# Altium PCB Back_M.PcbDoc
Units mm, origin at the board's own origin, x right, y up, seen from the top; angles counter-clockwise.
Board outline 25.11 x 28.97 mm, 2 copper layers (Top Layer, Bottom Layer); 20 components, 9 nets, 37 pads, 2 vias.
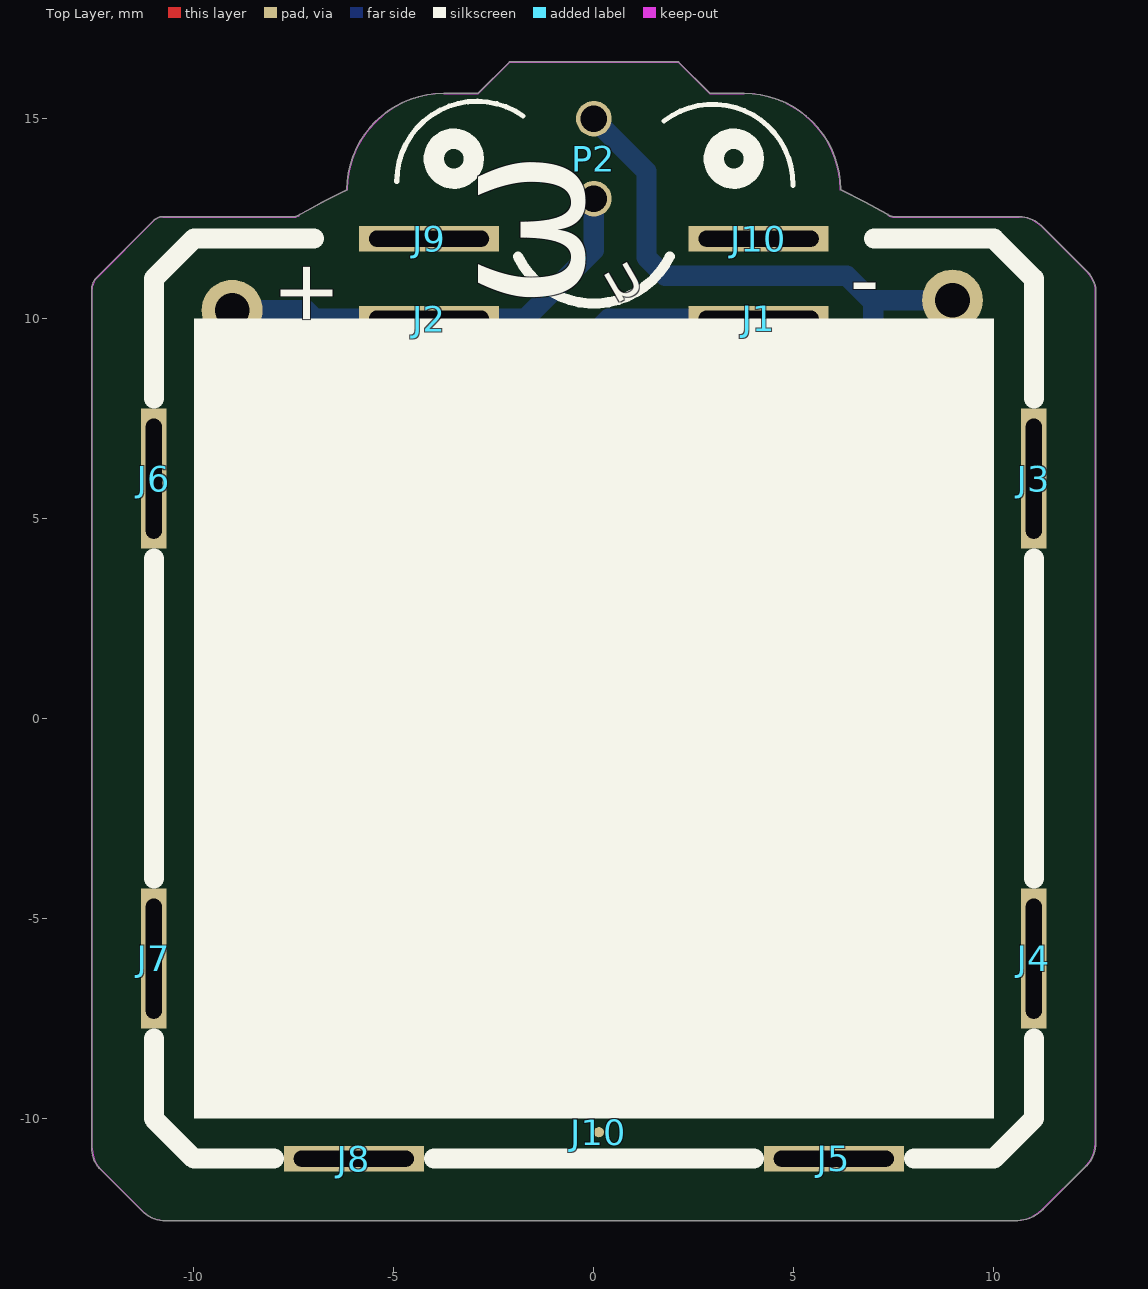
[diagram p0: Top Layer view]
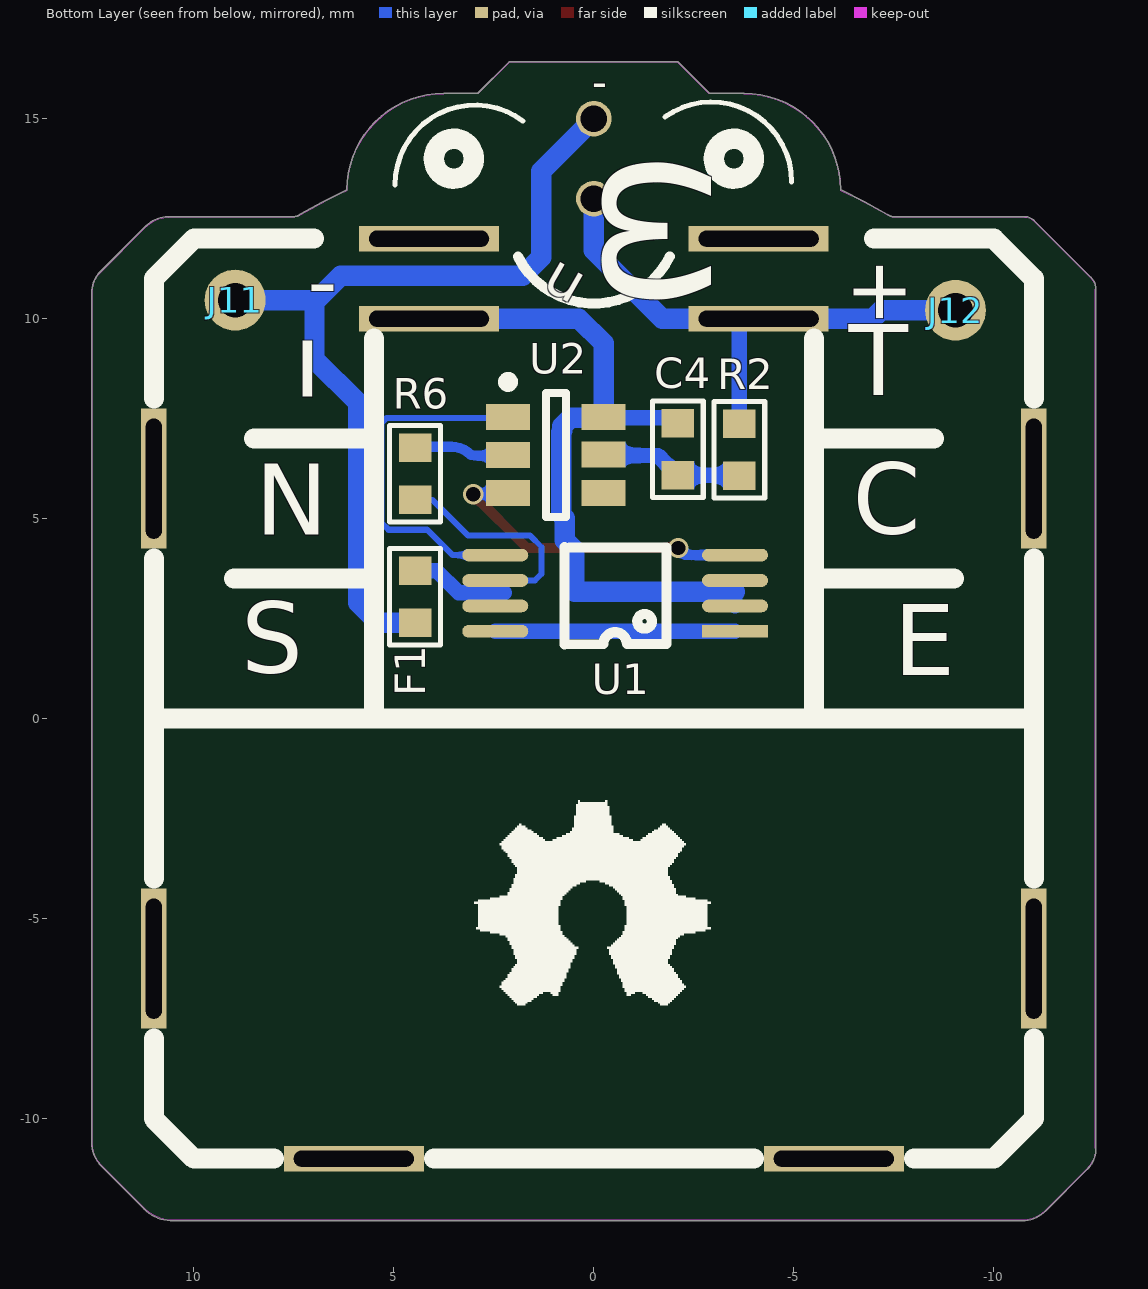
[diagram p1: Bottom Layer view, seen from below]
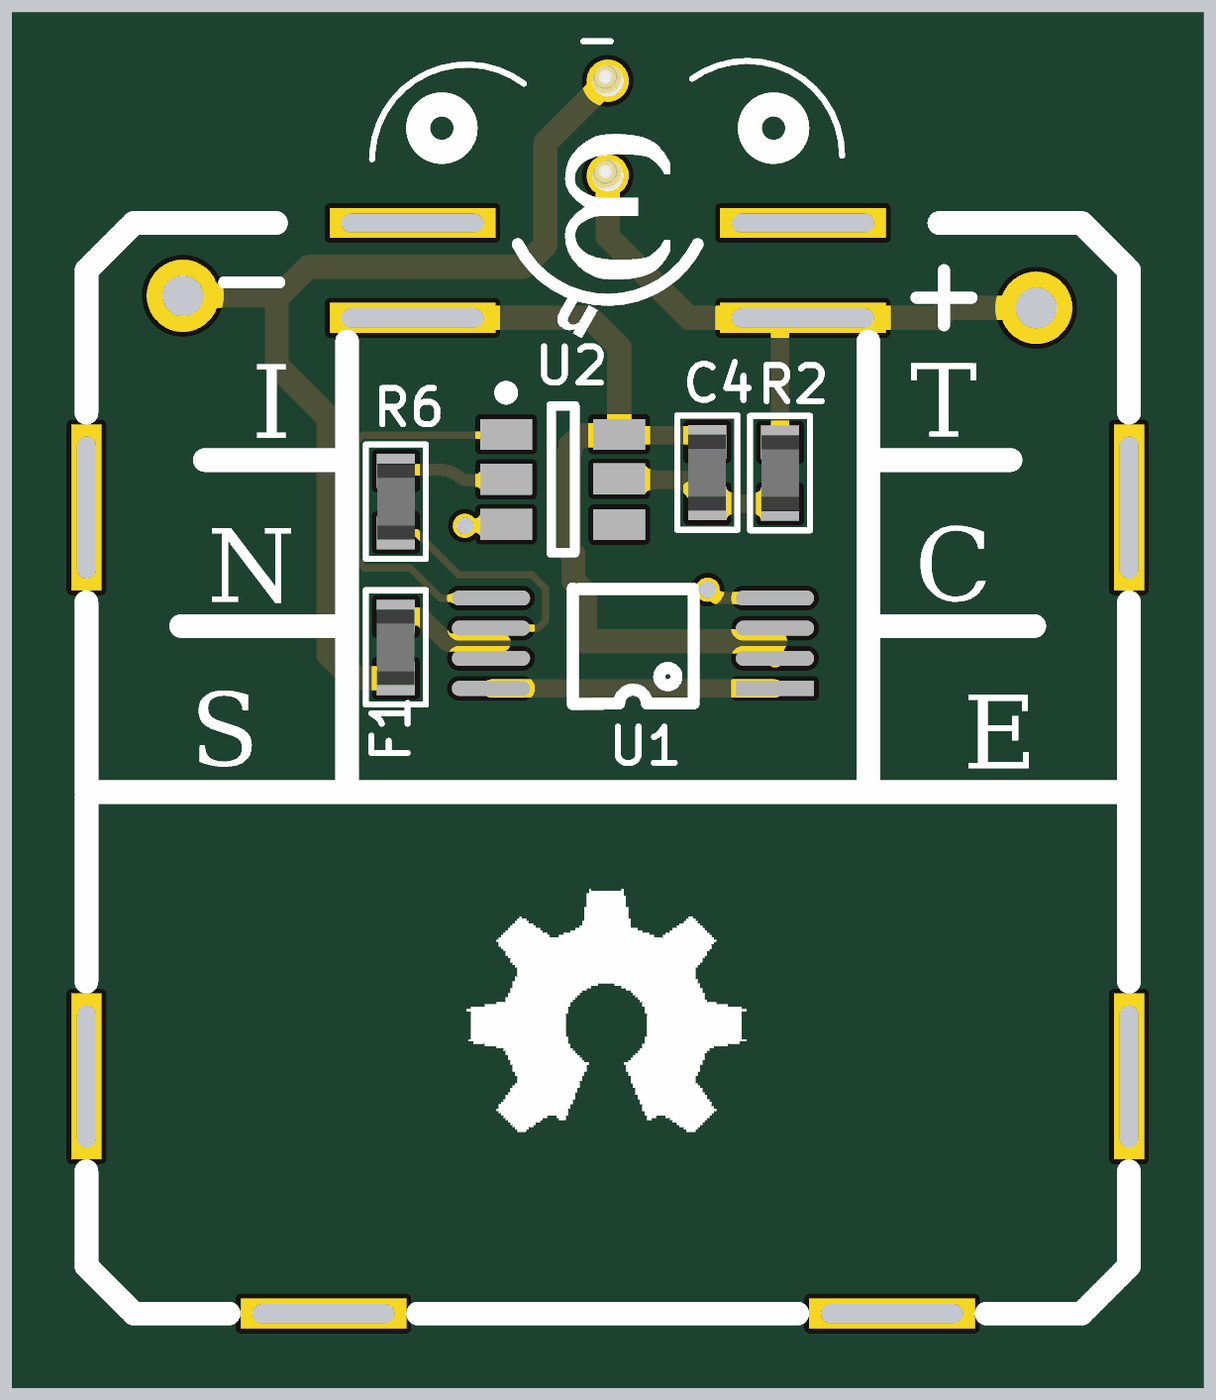
[diagram p2: 3D render of the assembled board from below, using the file's embedded part models]

## Layer stack, top to bottom
Top Solder: solder mask 0.0102, Solder Resist, Dk 3.5
Top Layer: signal copper 0.0356
Dielectric 1: dielectric 0.32, FR-4, Dk 4.8
Bottom Layer: signal copper 0.0356
Bottom Solder: solder mask 0.0102, Solder Resist, Dk 3.5

## Board outline
-12.554,-10.68 cw(c-12.541,-10.68) -12.553,-10.675 -12.553,10.71 cw(c-12.54,10.712) -12.553,10.712 -12.553,10.735 cw(c-12.132,10.735) -12.43,11.033 -11.007,12.455 cw(c-10.771,12.219) -10.771,12.553 -7.482,12.553 cw(c-7.482,12.54) -7.479,12.553 ccw(c-7.482,12.741) -7.355,12.602 cw(c-7.346,12.593) -7.346,12.606 cw(c0,0) -6.175,13.219 cw(c-3.754,13.214) -3.754,15.634 -2.893,15.634 -2.11,16.418 cw(c-2.1,16.408) -2.1,16.421 2.111,16.421 cw(c2.111,16.408) 2.12,16.418 2.904,15.634 3.754,15.634 cw(c3.754,13.214) 6.175,13.219 cw(c0,0) 7.343,12.607 cw(c7.345,12.594) 7.35,12.607 ccw(c7.345,12.594) 7.343,12.607 7.35,12.607 cw(c7.345,12.594) 7.355,12.604 ccw(c7.474,12.723) 7.474,12.554 ccw(c7.474,12.723) 7.474,12.554 7.613,12.554 cw(c7.613,12.541) 7.618,12.553 10.634,12.553 cw(c10.634,12.54) 10.64,12.552 cw(c10.634,11.762) 11.188,12.324 cw(c11.183,12.312) 11.192,12.321 12.391,11.122 cw(c12.382,11.113) 12.395,11.113 cw(c12.382,11.113) 12.395,11.111 cw(c11.814,10.654) 12.553,10.654 12.553,-10.602 cw(c12.54,-10.602) 12.552,-10.608 cw(c11.726,-10.602) 12.367,-11.123 cw(c12.354,-11.123) 12.367,-11.123 cw(c12.354,-11.123) 12.364,-11.132 12.32,-11.176 cw(c11.726,-10.602) 12.31,-11.186 12.294,-11.203 cw(c12.284,-11.193) 12.292,-11.204 11.241,-12.255 cw(c11.228,-12.255) 11.237,-12.264 cw(c10.544,-11.572) 10.585,-12.55 cw(c10.577,-12.54) 10.577,-12.553 -10.707,-12.553 cw(c-10.707,-12.54) -10.708,-12.553 ccw(c-10.707,-11.724) -10.707,-12.553 -10.708,-12.553 cw(c-10.707,-11.724) -11.293,-12.31 -11.306,-12.298 cw(c-11.297,-12.288) -11.309,-12.294 -12.332,-11.27 cw(c-12.325,-11.259) -12.334,-11.269 cw(c-11.804,-10.738) -12.554,-10.738

## Design rules (kind name [scope] priority, off if disabled: settings)
Clearance [All] p1: gap=0.254
PolygonConnect [All] p1: connectstyle=Relief reliefconductorwidth=0.254 reliefentries=4 polygonreliefangle="90 Angle" airgapwidth=0.254
RoutingVias [All] p1: holewidth=0.711 width=1.27 viastyle="Through Hole" minholewidth=0.356 minwidth=0.508 maxholewidth=0.711 maxwidth=1.27
ShortCircuit [All vs HasFootprint('TI_ANT')] p1: allowed=FALSE
SolderMaskExpansion [All] p1: expansion=0.102
Width [All] p1: maxlimit=2.54 minlimit=0.025 preferedwidth=0.254
29 further rules are at their usual default settings.

## Components (designator, comment, footprint, x,y, rotation, side; value= is the part's Value field where it differs from the comment)
C4 "104" C0603 -2.101,6.735 r90 bottom
F1 "500mA" C0603 4.47,3.048 r90 bottom
J1 "-" PADL#1 16.418,14.232 r180 top
J2 "+" PADL#2 -11.786,14.525 r180 top
J3 "-" PADL#3 10.592,6.747 r90 top
J4 "-" PADL#4 10.976,-6.977 r90 top
J5 "-" PADL#5 5.133,-11.321 r180 top
J6 "-" PADL#6 -11.094,6.673 r90 top
J7 "-" PADL#7 -11,-6 r90 top
J8 "-" PADL#8 -5.202,-11.149 r180 top
J9 "-" PADL#9 -4.135,12.249 r180 top
J10 "-" PADL#10 4.064,12.205 r180 top
J10 "-" BB 0.127,-10.338 r180 top
J11 "-" PIN 8.966,10.465 r180 bottom
J12 "+" PIN -9.042,10.211 r90 bottom
P2 "Header 2" HEAD2.0 0,14 r90 top
R2 "330" C0603 -3.638,6.725 r270 bottom
R6 "1K" C0603 4.47,6.121 r270 bottom
U1 "CEG8205" TSSOP-8 -3.531,2.184 r0 bottom
U2 "R5402N" SOT23-6 2.143,7.544 r180 bottom

## Footprints (in the part's own frame and the unit in brackets; to place one, negate y for a bottom-side part, rotate by r counter-clockwise, add the part's x,y. Pads: shape width x height; smd on the part's side, far side on the other; paste and mask are expansions set on the pad)
BB [mil] "Generic Antenna; 1 Lead"
  round 10 smd: 1(0,0)
  body extent -422,-870 444,-4, height 197
C0603 [mil]
  rect 28x32 smd: 1(-25.59,0) 2(25.59,0)
  silkscreen extent -48,-25 48,25, body extent -31,-15 32,16, height 18
HEAD2.0 [mil] "Connector; Header; 2 Position"
  round 35 hole 26: 1(-39.37,0) 2(39.37,0)
  body extent -75,-41 82,37, height 326
PADL#1 [mm]
  rect 3.5x0.635 hole 0.4 slot 3 at 0 deg: 1(12.298,4.232)
PADL#2 [mm]
  rect 3.5x0.635 hole 0.4 slot 3 at 0 deg: 1(-7.666,4.525)
PADL#3 [mm]
  rect 3.5x0.635 hole 0.4 slot 3 at 0 deg: 1(-0.747,-0.408)
PADL#4 [mm]
  rect 3.5x0.635 hole 0.4 slot 3 at 0 deg: 1(0.977,-0.024)
PADL#5 [mm]
  rect 3.5x0.635 hole 0.4 slot 3 at 0 deg: 1(-0.867,-0.321)
PADL#6 [mm]
  rect 3.5x0.635 hole 0.4 slot 3 at 0 deg: 1(-0.673,-0.094)
PADL#7 [mm]
  rect 3.5x0.635 hole 0.4 slot 3 at 0 deg: 1(0,0)
PADL#8 [mm]
  rect 3.5x0.635 hole 0.4 slot 3 at 0 deg: 1(0.798,-0.149)
PADL#9 [mm]
  rect 3.5x0.635 hole 0.4 slot 3 at 0 deg: 1(-0.015,0.249)
PADL#10 [mm]
  rect 3.5x0.635 hole 0.4 slot 3 at 0 deg: 1(-0.056,0.205)
PIN [mil]
  round 60 hole 34 paste-15.75: 1(0,0)
SOT23-6 [mm]
  rect 1.1x0.65 smd: 1(0,0) 2(0,-0.95) 3(0,-1.9) 4(2.388,-1.905) 5(2.388,-0.94) 6(2.388,0)
  silkscreen extent -0.13,-2.5 1.45,1, body extent 0.3,-2.5 2.1,0.6, height 1.45
TSSOP-8 [mil]
  rect 65x12.5 smd: 1(0,0)
  oval 65x12.5 smd: 2(0,-25) 3(0,-50) 4(0,-75) 5(236,-75) 6(236,-50) 7(236,-25) 8(236,0)
  silkscreen extent 68,-83 168,13

## Part data
C4: library part C, "叠层贴片电容"
F1: library part R, "保险丝"
J1 J2 J3 J4 J5 J6 J7 J8 J9 J10 J10 J11 J12: library part Socket, "Socket"
P2: "电池供电跳线帽"
R2 R6: library part R, "贴片电阻"
U1: "大功率MOS管"
U2: "过放过充过流检测芯片"

## Via types
v1: diameter 0.508, hole 0.356, Top Layer to Bottom Layer, 2 vias

## Nets (pads, with @x,y where several pads share a name; then routed paths per layer and width w, separated by ;. In a path a pad name is that pad's centre, name@x,y a point inside that pad or via, vN(x,y) a via of type N, cw(c..) or ccw(c..) an arc to the next point about the centre after c; other vN are vias at no path point)
NetC4_1: C4.1 R2.2 U2.5 | length 3.6
  Bottom Layer w0.381: R2.2 -3.628,6.085 C4.1 -1.603,6.582 U2.5@-0.244,6.582
NetC4_2: C4.2 J1.1 U1.2 U1.3 U2.6 | length 18.2
  Bottom Layer w0.381: U1.2 -3.531,3.175 ; C4.2 -1.964,7.522 -0.244,7.522 U2.6
  Bottom Layer w0.508: -3.531,3.175 0.483,3.175 0.483,4.216 0.724,4.458 0.724,5.014 0.814,5.103 0.814,7.166 0.787,7.192 0.787,7.315 0.581,7.522 U2.6@-0.244,7.522 ; U2.6 -0.244,9.382 0.373,10 J1.1
NetF1_1: F1.1 J11.1 P2.2 | length 21.8
  Bottom Layer w0.508: P2.2 1.315,13.685 1.315,11.537 1.778,11.074 6.325,11.074 6.934,10.465 ; F1.1 5.395,2.398 5.893,2.896 5.893,7.899 6.985,8.992 6.985,10.414 6.934,10.465 ; J11.1 6.934,10.465
NetF1_2: F1.2 R6.2 U1.6 U1.7 | length 8
  Bottom Layer w0.152: U1.6 1.473,3.454 1.308,3.619 1.308,4.292 1.595,4.578 3.143,4.578 4.036,5.471 R6.2
  Bottom Layer w0.381: 2.235,3.15 3.382,3.15 3.93,3.698 F1.2
NetJ2_1: J2.1 J12.1 P2.1 R2.1 | length 14
  Bottom Layer w0.381: J12.1@-9.017,10.16 J12.1@-8.857,10 ; R2.1 J2.1@-3.638,10
  Bottom Layer w0.508: J12.1 -8.661,10.211 -7.188,10.211 -6.977,10 J2.1 -3.638,10 -1.709,10 0,11.709 P2.1
NetR6_1: R6.1 U2.2 | length 2
  Bottom Layer w0.254: U2.2@2.143,6.572 2.899,6.572 ccw(c2.899,7.212) 3.073,6.596 cw(c3.563,6.107) 3.363,6.769 cw(c3.563,6.107) 3.563,6.799 4.064,6.799
NetU1_1: U1.1 U1.8 | length 6
  Bottom Layer w0.381: U1.1 U1.8
NetU1_4: U1.4 U2.3 | length 8.2
  Top Layer w0.254: v1(-2.108,4.267) 1.669,4.267 v1(3.015,5.613)
  Bottom Layer w0.254: U1.4 -2.286,4.089 v1(-2.108,4.267) ; U2.3@1.992,5.622 2.143,5.622 3.007,5.622 v1(3.015,5.613)
NetU1_5: U1.5 U2.1 | length 8.9
  Bottom Layer w0.152: U2.1 2.143,7.522 5.178,7.522 5.309,7.391 5.309,4.902 5.131,4.724 4.166,4.724 3.531,4.089 U1.5
pads on no net: J3.1 J4.1 J5.1 J6.1 J7.1 J8.1 J9.1 J10.1 U2.4

## Keep-outs
Keep-Out Layer:
  lines w0.02: -7.346,12.594 cw(c0,0) -6.162,13.214 ; 6.162,13.214 cw(c0,0) 7.345,12.594
  lines w0.025: -12.541,-10.68 -12.541,-10.738 ccw(c-11.804,-10.738) -12.325,-11.259 ; -12.54,-10.738 -12.54,-5.376 ; -12.54,-7.036 -12.54,5.349 -12.54,10.712 -12.54,10.735 cw(c-12.132,10.735) -12.421,11.024 -10.998,12.446 cw(c-10.771,12.219) -10.771,12.54 -10.752,12.54 -7.482,12.54 ccw(c-7.482,12.741) -7.346,12.593 ; -12.325,-11.259 -11.284,-12.3 ; -11.297,-12.288 -11.284,-12.301 ccw(c-10.707,-11.724) -10.707,-12.54 10.577,-12.54 ; -6.162,13.214 cw(c-3.754,13.214) -3.754,15.621 -2.888,15.621 -2.1,16.408 2.111,16.408 2.898,15.621 3.754,15.621 cw(c3.754,13.214) 6.162,13.214 ; 7.474,12.54 10.634,12.54 ; 7.613,12.541 7.474,12.541 cw(c7.474,12.723) 7.345,12.594 ; 10.5,-12.538 10.544,-12.538 ccw(c10.544,-11.572) 11.228,-12.255 ; 10.621,12.538 10.634,12.538 cw(c10.634,11.762) 11.182,12.311 ; 11.174,-12.304 12.354,-11.123 ; 11.183,12.312 12.382,11.113 ; 12.284,-11.193 12.301,-11.177 ccw(c11.726,-10.602) 12.539,-10.602 ; 12.327,11.167 cw(c11.814,10.654) 12.54,10.654 12.54,10.592 12.54,10.16 12.54,4.969 12.54,-0.94 ; 12.54,-10.602 12.54,-0.483 ; 7.345,12.594 7.345,12.594

## Silkscreen, mask and mechanical layers (free items; w line width, h text height)
Top Overlay:
  circle w0.508: c3.5,14 r0.5
  circle w0.508: c-3.5,14 r0.5
  rectangle: -10,-10 10,10
  lines w0.127: -4.928,13.437 cw(c-2.928,13.437) -1.768,15.066 ; 1.757,14.944 cw(c2.978,13.36) 4.978,13.337
  lines w0.254: -1.897,11.551 ccw(c0,12.5) 1.897,11.551
  lines w0.5: -11,-8 -11,-10 -10,-11 -8,-11 ; -11,-4 -11,4 ; -11,8 -11,11 -10,12 -7,12 ; -4,-11 4,-11 ; 7,12 10,12 11,11 11,8 ; 8,-11 10,-11 11,-10 11,-8 ; 11,-4 11,4
  text "ω" at 0.889,14.224 h6 r90
  text "+" at -6.529,11.509 h1.52 r90
  text "-" at 6.401,11.391 h1.52 r180
  text "u" at 1.5,10.5 h1.78 r30
Bottom Overlay:
  drawing of 28 lines, arcs and shapes, not listed
  text "-" at -0.33,16.129 h0.76 r180
  text "ω" at 0.889,14.224 h6.1 r90
  text "+" at -6.503,11.535 h1.52 r90
  text "-" at 6.401,11.34 h1.52 r180
  text "u" at 1.5,10.5 h1.78 r30
  text "T" at -6.375,7.493 h3.05
  text "I" at 7.518,7.468 h3.05
  text "C" at -6.477,4.039 h3.05
  text "N" at 8.458,4.013 h3.05
  text "S" at 8.814,0.559 h3.05
  text "E" at -7.5,0.5 h3.05
Top Solder:
  text "BAT" at -3.916,-1.565 h3.05